# Altium PCB UDC_IHM_V2.0.PcbDoc (part 2 of 2)
Units mm, origin at the board's own origin, x right, y up, seen from the top; angles counter-clockwise.
Board outline 64.5 x 60 mm, 4 copper layers (Top Layer, VCC, GND, Bottom Layer), stack 1.542 mm thick; 91 components, 78 nets, 394 pads, 187 vias.
Unrouted connection lines stored in the file: 1.
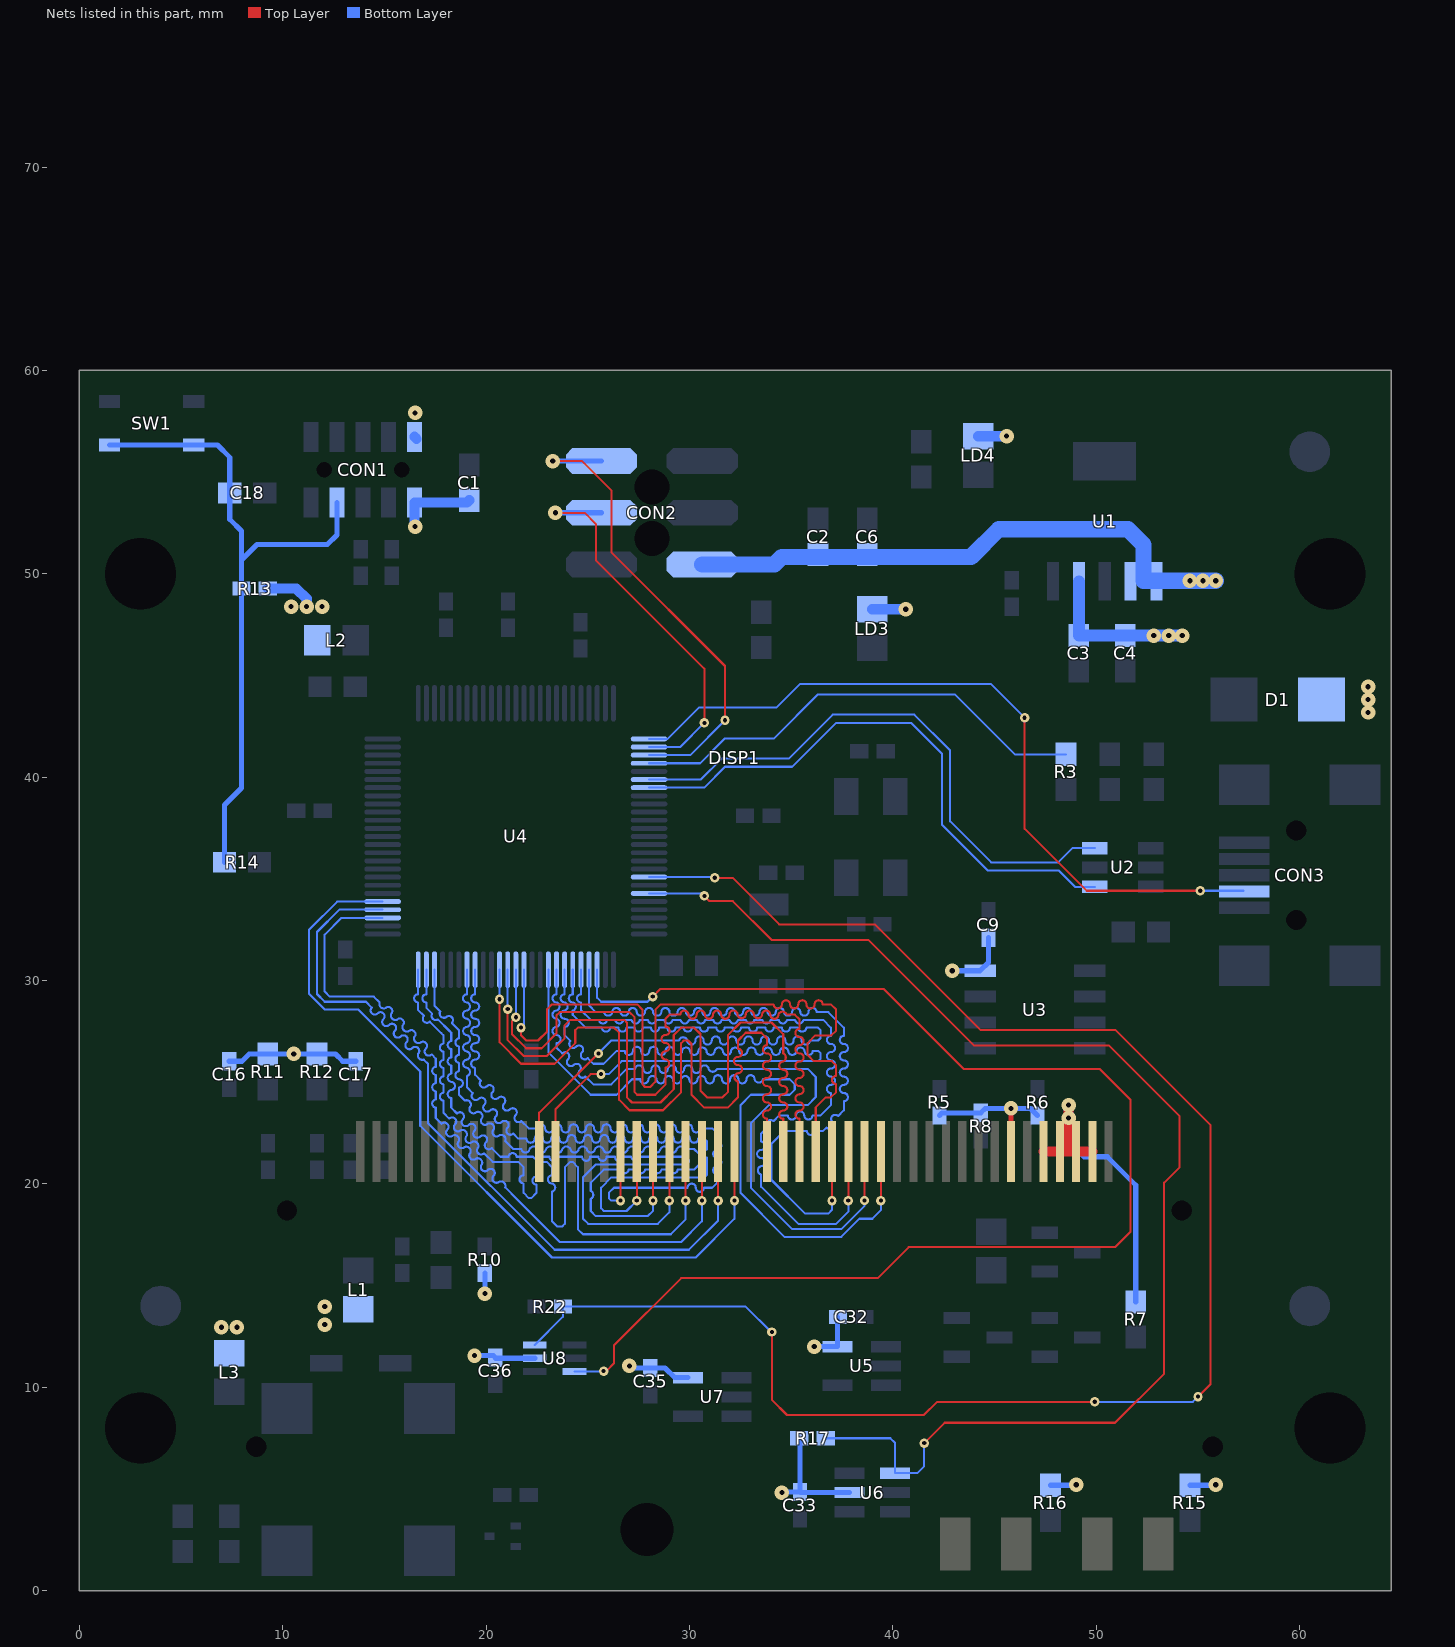
[diagram p4: the nets of this part, all layers, seen from the top]

## Via types
v1: diameter 0.711, hole 0.254, Top Layer to Bottom Layer, tented both sides, 138 vias
v2: diameter 0.457, hole 0.204, Top Layer to Bottom Layer, tented both sides, 49 vias

## Nets (pads, with @x,y where several pads share a name; then routed paths per layer and width w, separated by ;. In a path a pad name is that pad's centre, name@x,y a point inside that pad or via, vN(x,y) a via of type N, cw(c..) or ccw(c..) an arc to the next point about the centre after c; other vN are vias at no path point) (continued)
PMD0: DISP1.31 U4.93 | length 39.3
  Top Layer w0.102: v2(26.612,19.177) DISP1.31@26.612,21.596
  Bottom Layer w0.102: U4.93@19.463,30.534 19.463,29.328 ccw(c19.468,29.127) 19.463,28.926 cw(c19.463,28.725) 19.463,28.524 ccw(c19.468,28.323) 19.463,28.122 cw(c19.463,27.921) 19.463,27.72 ccw(c19.468,27.519) 19.463,27.318 cw(c19.463,27.117) 19.463,26.916 ccw(c19.468,26.715) 19.463,26.514 cw(c19.463,26.313) 19.463,26.112 ccw(c19.468,25.911) 19.463,25.71 19.463,25.368 19.747,25.084 ccw(c19.889,24.942) 20.032,24.799 cw(c20.174,24.657) 20.316,24.515 ccw(c20.458,24.373) 20.6,24.231 cw(c20.742,24.089) 20.884,23.947 ccw(c21.026,23.805) 21.169,23.662 cw(c21.311,23.52) 21.453,23.378 ccw(c21.595,23.236) 21.737,23.094 22.098,22.733 22.5,22.733 cw(c22.701,22.733) 22.902,22.733 ccw(c23.103,22.733) 23.304,22.733 cw(c23.505,22.733) 23.706,22.733 ccw(c23.907,22.733) 24.108,22.733 cw(c24.309,22.733) 24.51,22.733 ccw(c24.711,22.733) 24.912,22.733 cw(c25.113,22.733) 25.314,22.733 ccw(c25.515,22.733) 25.716,22.733 cw(c25.917,22.733) 26.118,22.733 ccw(c26.319,22.733) 26.52,22.733 cw(c26.721,22.733) 26.922,22.733 ccw(c27.123,22.733) 27.324,22.733 cw(c27.525,22.733) 27.726,22.733 ccw(c27.927,22.733) 28.128,22.733 cw(c28.329,22.733) 28.53,22.733 ccw(c28.731,22.733) 28.932,22.733 cw(c29.133,22.733) 29.334,22.733 ccw(c29.535,22.733) 29.736,22.733 cw(c29.937,22.733) 30.138,22.733 ccw(c30.339,22.733) 30.54,22.733 31.115,22.733 31.369,22.479 31.369,22.077 cw(c31.369,21.876) 31.369,21.675 ccw(c31.369,21.474) 31.369,21.273 cw(c31.369,21.072) 31.369,20.871 ccw(c31.369,20.67) 31.369,20.469 31.369,20.066 31.115,19.812 30.713,19.812 cw(c30.512,19.812) 30.311,19.812 ccw(c30.11,19.812) 29.909,19.812 26.289,19.812 26.035,19.558 26.035,19.304 26.162,19.177 v2(26.612,19.177) v2@26.485,19.05
PMD1: DISP1.30 U4.94 | length 39.3
  Top Layer w0.102: v2(27.412,19.177) DISP1.30@27.412,21.596
  Bottom Layer w0.102: U4.94@19.063,30.534 19.063,29.328 ccw(c19.063,29.127) 19.063,28.926 cw(c19.003,28.725) 19.063,28.524 ccw(c19.063,28.323) 19.063,28.122 cw(c19.003,27.921) 19.063,27.72 ccw(c19.074,27.519) 19.063,27.318 cw(c19.003,27.117) 19.063,26.916 ccw(c19.074,26.715) 19.063,26.514 cw(c19.003,26.313) 19.063,26.112 ccw(c19.074,25.911) 19.063,25.71 cw(c19.003,25.509) 19.063,25.308 19.063,24.752 19.347,24.468 ccw(c19.489,24.326) 19.632,24.183 cw(c19.774,24.041) 19.916,23.899 ccw(c20.058,23.757) 20.2,23.615 cw(c20.342,23.473) 20.484,23.331 ccw(c20.626,23.189) 20.769,23.046 cw(c20.911,22.904) 21.053,22.762 ccw(c21.195,22.62) 21.337,22.478 21.59,22.225 21.992,22.225 ccw(c22.193,22.225) 22.394,22.225 cw(c22.595,22.225) 22.796,22.225 ccw(c22.997,22.225) 23.198,22.225 cw(c23.399,22.203) 23.6,22.225 ccw(c23.801,22.225) 24.002,22.225 cw(c24.203,22.203) 24.404,22.225 ccw(c24.605,22.225) 24.806,22.225 cw(c25.007,22.203) 25.208,22.225 ccw(c25.409,22.225) 25.61,22.225 cw(c25.811,22.203) 26.012,22.225 ccw(c26.213,22.225) 26.414,22.225 cw(c26.615,22.203) 26.816,22.225 ccw(c27.017,22.225) 27.218,22.225 cw(c27.419,22.203) 27.62,22.225 ccw(c27.821,22.225) 28.022,22.225 cw(c28.223,22.203) 28.424,22.225 ccw(c28.625,22.225) 28.826,22.225 cw(c29.027,22.203) 29.228,22.225 ccw(c29.429,22.225) 29.63,22.225 cw(c29.831,22.203) 30.032,22.225 ccw(c30.233,22.225) 30.434,22.225 30.734,22.225 30.861,22.098 30.861,21.696 ccw(c30.885,21.495) 30.861,21.294 30.861,20.442 30.739,20.32 30.337,20.32 29.533,20.32 26.162,20.32 25.654,19.812 25.654,18.796 25.781,18.669 26.904,18.669 v2(27.412,19.177)
PMD2: DISP1.29 U4.98 | length 39.3
  Top Layer w0.102: v2(28.212,19.177) DISP1.29@28.212,21.596
  Bottom Layer w0.102: U4.98@17.463,30.534 17.463,28.765 17.747,28.481 ccw(c17.927,28.376) 18.032,28.196 cw(c18.174,28.054) 18.316,27.912 18.669,27.559 18.669,27.157 ccw(c18.695,26.956) 18.669,26.755 18.669,26.353 ccw(c18.695,26.152) 18.669,25.951 18.669,25.549 ccw(c18.695,25.348) 18.669,25.147 cw(c18.658,24.946) 18.669,24.745 18.669,24.384 18.953,24.1 cw(c19.036,23.899) 19.238,23.815 ccw(c19.38,23.673) 19.522,23.531 cw(c19.605,23.33) 19.806,23.247 ccw(c19.948,23.105) 20.09,22.963 cw(c20.173,22.762) 20.375,22.678 ccw(c20.517,22.536) 20.659,22.394 cw(c20.742,22.193) 20.943,22.11 21.336,21.717 21.738,21.717 ccw(c21.939,21.743) 22.14,21.717 cw(c22.341,21.61) 22.542,21.717 ccw(c22.743,21.743) 22.944,21.717 cw(c23.145,21.61) 23.346,21.717 ccw(c23.547,21.743) 23.748,21.717 cw(c23.949,21.61) 24.15,21.717 ccw(c24.351,21.743) 24.552,21.717 cw(c24.753,21.61) 24.954,21.717 ccw(c25.155,21.743) 25.356,21.717 cw(c25.557,21.61) 25.758,21.717 ccw(c25.959,21.743) 26.16,21.717 cw(c26.361,21.61) 26.562,21.717 ccw(c26.763,21.743) 26.964,21.717 cw(c27.165,21.61) 27.366,21.717 ccw(c27.567,21.743) 27.768,21.717 cw(c27.969,21.61) 28.17,21.717 ccw(c28.371,21.743) 28.572,21.717 cw(c28.773,21.61) 28.974,21.717 ccw(c29.175,21.743) 29.376,21.717 cw(c29.577,21.61) 29.778,21.717 30.226,21.717 30.48,21.463 30.48,20.955 30.226,20.701 29.422,20.701 cw(c29.221,20.727) 29.02,20.701 28.618,20.701 cw(c28.417,20.727) 28.216,20.701 27.814,20.701 cw(c27.613,20.727) 27.412,20.701 27.01,20.701 cw(c26.809,20.727) 26.608,20.701 25.781,20.701 25.146,20.066 25.146,19.664 cw(c25.049,19.463) 25.146,19.262 25.146,18.669 25.4,18.415 27.94,18.415 28.212,18.687 v2(28.212,19.177)
PMD3: DISP1.28 U4.99 | length 39.3
  Top Layer w0.102: v2(29.012,19.177) DISP1.28@29.012,21.596
  Bottom Layer w0.102: U4.99@17.063,30.534 17.063,29.328 ccw(c17.068,29.127) 17.063,28.926 17.063,28.657 17.347,28.373 ccw(c17.527,28.268) 17.632,28.088 18.2,27.52 18.288,27.432 18.288,27.03 ccw(c18.314,26.829) 18.288,26.628 18.288,26.226 ccw(c18.314,26.025) 18.288,25.824 18.288,25.422 ccw(c18.314,25.221) 18.288,25.02 cw(c18.27,24.819) 18.288,24.618 ccw(c18.314,24.417) 18.288,24.216 18.288,23.749 18.572,23.465 cw(c18.714,23.323) 18.857,23.18 ccw(c18.999,23.038) 19.141,22.896 cw(c19.283,22.754) 19.425,22.612 ccw(c19.567,22.47) 19.709,22.328 cw(c19.851,22.186) 19.994,22.043 ccw(c20.136,21.901) 20.278,21.759 20.701,21.336 21.103,21.336 cw(c21.304,21.312) 21.505,21.336 22.309,21.336 ccw(c22.51,21.464) 22.711,21.336 23.113,21.336 ccw(c23.314,21.336) 23.515,21.336 24.319,21.336 24.721,21.336 ccw(c24.922,21.336) 25.123,21.336 25.525,21.336 ccw(c25.726,21.336) 25.927,21.336 26.329,21.336 ccw(c26.53,21.336) 26.731,21.336 27.133,21.336 ccw(c27.334,21.366) 27.535,21.336 28.741,21.336 29.812,21.336 29.972,21.176 29.972,21.082 29.845,20.955 25.4,20.955 24.765,20.32 24.765,18.288 25.019,18.034 28.448,18.034 29.012,18.598 v2(29.012,19.177)
PMD4: DISP1.27 U4.100 | length 39.3
  Top Layer w0.102: v2(29.812,19.177) DISP1.27@29.812,21.596
  Bottom Layer w0.102: U4.100@16.663,30.534 16.663,29.328 ccw(c16.663,29.127) 16.663,28.926 16.663,28.549 16.947,28.265 ccw(c17.089,28.123) 17.232,27.98 17.8,27.412 17.907,27.305 17.907,26.903 ccw(c17.933,26.702) 17.907,26.501 17.907,26.099 ccw(c17.933,25.898) 17.907,25.697 17.907,25.295 ccw(c17.933,25.094) 17.907,24.893 17.907,24.491 ccw(c17.933,24.29) 17.907,24.089 17.907,23.495 18.191,23.211 cw(c18.333,23.069) 18.476,22.926 ccw(c18.618,22.784) 18.76,22.642 cw(c18.835,22.433) 19.044,22.358 ccw(c19.186,22.216) 19.328,22.074 cw(c19.403,21.864) 19.613,21.789 ccw(c19.755,21.647) 19.897,21.505 20.32,21.082 21.124,21.082 21.59,21.082 21.844,20.828 21.844,20.426 ccw(c21.844,20.225) 21.844,20.024 21.844,19.558 22.098,19.304 22.225,19.304 22.479,19.558 22.479,19.96 cw(c22.479,20.161) 22.479,20.362 22.479,20.828 22.733,21.082 22.987,21.082 23.241,20.828 23.241,20.426 ccw(c23.241,20.225) 23.241,20.024 cw(c23.194,19.823) 23.241,19.622 23.241,18.818 23.241,18.161 23.495,17.907 23.749,17.907 23.876,18.034 23.876,18.838 23.876,20.828 24.13,21.082 24.257,21.082 24.511,20.828 24.511,19.622 24.511,17.78 24.765,17.526 29.083,17.526 29.812,18.255 v2(29.812,19.177)
PMD5: DISP1.26 U4.3 | length 39.3
  Top Layer w0.102: v2(30.612,19.177) DISP1.26@30.612,21.596
  Bottom Layer w0.102: U4.3@14.913,33.084 12.891,33.084 12.065,32.258 12.065,29.464 12.319,29.21 14.478,29.21 14.762,28.926 ccw(c14.972,28.851) 15.047,28.641 cw(c15.189,28.499) 15.331,28.357 ccw(c15.54,28.282) 15.615,28.073 cw(c15.757,27.931) 15.899,27.789 ccw(c16.109,27.714) 16.184,27.504 cw(c16.326,27.362) 16.468,27.22 ccw(c16.677,27.145) 16.752,26.936 cw(c16.894,26.794) 17.036,26.652 ccw(c17.178,26.51) 17.321,26.367 17.526,26.162 17.526,25.76 ccw(c17.552,25.559) 17.526,25.358 17.526,24.956 ccw(c17.552,24.755) 17.526,24.554 17.526,24.152 ccw(c17.552,23.951) 17.526,23.75 17.526,23.241 17.81,22.957 cw(c17.952,22.815) 18.095,22.672 ccw(c18.237,22.53) 18.379,22.388 cw(c18.454,22.179) 18.663,22.104 ccw(c18.805,21.962) 18.947,21.82 cw(c19.022,21.61) 19.232,21.535 ccw(c19.374,21.393) 19.516,21.251 cw(c19.591,21.042) 19.8,20.967 ccw(c19.942,20.825) 20.084,20.683 cw(c20.226,20.541) 20.369,20.398 ccw(c20.511,20.256) 20.653,20.114 cw(c20.727,19.904) 20.937,19.83 21.506,19.261 22.098,18.669 23.622,17.145 29.591,17.145 30.612,18.166 v2(30.612,19.177)
PMD6: DISP1.25 U4.4 | length 39.3
  Top Layer w0.102: v2(31.412,19.177) DISP1.25@31.412,21.596
  Bottom Layer w0.102: U4.4@14.913,33.484 12.783,33.484 11.684,32.385 11.684,29.337 12.065,28.956 14.097,28.956 14.381,28.672 ccw(c14.523,28.53) 14.666,28.387 cw(c14.808,28.245) 14.95,28.103 ccw(c15.092,27.961) 15.234,27.819 cw(c15.376,27.677) 15.518,27.535 ccw(c15.66,27.393) 15.803,27.25 cw(c15.945,27.108) 16.087,26.966 ccw(c16.229,26.824) 16.371,26.682 cw(c16.513,26.54) 16.655,26.398 ccw(c16.868,26.326) 16.94,26.113 17.145,25.908 17.145,24.3 17.145,22.987 23.368,16.764 29.972,16.764 31.412,18.204 v2(31.412,19.177)
PMD7: DISP1.24 U4.5 | length 39.3
  Top Layer w0.102: v2(32.212,19.177) DISP1.24@32.212,21.596
  Bottom Layer w0.102: U4.5@14.913,33.884 12.675,33.884 11.303,32.512 11.303,29.337 12.065,28.575 13.716,28.575 16.764,25.527 16.764,22.86 23.241,16.383 30.309,16.383 32.212,18.286 v2(32.212,19.177)
PMD8: DISP1.22 U4.90 | length 39.3
  Top Layer w0.102: v2(20.663,29.083) 20.663,26.962 21.717,25.908 23.368,25.908 24.384,26.924 24.384,27.559 24.511,27.686 26.289,27.686 26.543,27.432 26.543,24.13 27.051,23.622 28.702,23.622 29.591,24.511 29.591,26.924 29.718,27.051 29.928,27.051 30.099,26.88 30.099,25.59 30.099,24.384 30.734,23.749 31.877,23.749 32.385,24.257 32.385,25.04 cw(c32.421,25.241) 32.385,25.442 ccw(c32.385,25.643) 32.385,25.844 cw(c32.385,26.045) 32.385,26.246 ccw(c32.385,26.447) 32.385,26.648 32.385,27.05 32.767,27.432 33.529,27.432 33.812,27.149 33.812,26.822 ccw(c33.812,26.621) 33.812,26.42 cw(c33.812,26.219) 33.812,26.018 ccw(c33.812,25.817) 33.812,25.616 cw(c33.812,25.415) 33.812,25.214 ccw(c33.812,25.013) 33.812,24.812 cw(c33.812,24.611) 33.812,24.41 ccw(c33.812,24.209) 33.812,24.008 cw(c33.812,23.807) 33.812,23.606 ccw(c33.812,23.405) 33.812,23.204 33.812,22.4 DISP1.22@33.812,21.596
  Bottom Layer w0.102: v2(20.663,29.083) U4.90@20.663,30.534
PMD9: DISP1.21 U4.89 | length 39.3
  Top Layer w0.102: v2(21.063,28.594) 21.063,27.07 21.844,26.289 22.987,26.289 23.863,27.165 23.863,27.8 24.13,28.067 26.797,28.067 26.924,27.94 26.924,24.257 27.178,24.003 28.575,24.003 29.23,24.658 29.23,27.325 29.591,27.686 30.226,27.686 30.542,27.37 30.542,25.782 30.542,24.576 30.861,24.257 31.623,24.257 31.9,24.534 31.9,24.916 31.9,26.926 31.9,27.328 32.512,27.94 33.232,27.94 34.036,27.94 34.612,27.364 34.612,26.42 cw(c34.51,26.219) 34.612,26.018 ccw(c34.612,25.817) 34.612,25.616 cw(c34.612,25.415) 34.612,25.214 ccw(c34.612,25.013) 34.612,24.812 cw(c34.612,24.611) 34.612,24.41 ccw(c34.612,24.209) 34.612,24.008 cw(c34.612,23.807) 34.612,23.606 ccw(c34.612,23.405) 34.612,23.204 34.612,21.998 DISP1.21@34.612,21.596
  Bottom Layer w0.102: v2(21.063,28.594) U4.89@21.063,30.534
PMD10: DISP1.20 U4.88 | length 39.3
  Top Layer w0.102: v2(21.463,28.194) 21.267,27.998 21.267,27.374 21.971,26.67 22.733,26.67 23.463,27.4 23.463,28.289 23.622,28.448 27.051,28.448 27.305,28.194 27.305,24.913 27.305,24.511 27.432,24.384 28.321,24.384 28.829,24.892 28.829,25.72 ccw(c28.801,25.921) 28.829,26.122 cw(c28.829,26.323) 28.829,26.524 ccw(c28.825,26.725) 28.829,26.926 cw(c28.829,27.127) 28.829,27.328 ccw(c28.829,27.529) 28.829,27.73 28.829,28.132 29.018,28.321 29.551,28.321 cw(c29.752,28.321) 29.953,28.321 ccw(c30.154,28.321) 30.355,28.321 cw(c30.556,28.321) 30.757,28.321 ccw(c30.958,28.321) 31.159,28.321 cw(c31.36,28.321) 31.561,28.321 ccw(c31.762,28.321) 31.963,28.321 cw(c32.164,28.321) 32.365,28.321 ccw(c32.566,28.347) 32.767,28.321 cw(c32.968,28.321) 33.169,28.321 ccw(c33.37,28.347) 33.571,28.321 cw(c33.772,28.321) 33.973,28.321 ccw(c34.174,28.321) 34.375,28.321 cw(c34.576,28.259) 34.777,28.321 35.179,28.321 35.412,28.088 35.412,27.626 ccw(c35.412,27.425) 35.412,27.224 cw(c35.412,27.023) 35.412,26.822 ccw(c35.412,26.621) 35.412,26.42 cw(c35.412,26.219) 35.412,26.018 ccw(c35.412,25.817) 35.412,25.616 cw(c35.412,25.415) 35.412,25.214 ccw(c35.412,25.013) 35.412,24.812 cw(c35.412,24.611) 35.412,24.41 ccw(c35.412,24.209) 35.412,24.008 cw(c35.412,23.807) 35.412,23.606 ccw(c35.412,23.405) 35.412,23.204 35.412,22.4 DISP1.20@35.412,21.596
  Bottom Layer w0.102: v2(21.463,28.194) U4.88@21.463,30.534
PMD11: DISP1.19 U4.87 | length 39.2
  Top Layer w0.102: v2(21.717,27.686) 21.717,27.305 21.971,27.051 22.555,27.051 22.999,27.495 22.999,28.587 23.241,28.829 27.431,28.829 27.686,28.574 27.686,24.892 27.813,24.765 28.067,24.765 28.321,25.019 28.321,28.555 28.595,28.829 32.133,28.829 32.937,28.829 33.741,28.829 34.143,28.829 ccw(c34.344,28.829) 34.545,28.829 cw(c34.746,28.829) 34.947,28.829 ccw(c35.148,28.829) 35.349,28.829 cw(c35.55,28.829) 35.751,28.829 ccw(c35.952,28.829) 36.153,28.829 cw(c36.354,28.829) 36.555,28.829 36.957,28.829 37.211,28.575 37.211,27.538 36.978,27.305 36.195,27.305 35.814,26.924 35.814,26.342 36.121,26.035 37,26.035 37.211,25.824 37.211,25.315 ccw(c37.211,25.114) 37.211,24.913 37.211,24.511 36.957,24.257 36.703,24.257 36.212,23.766 36.212,22.802 DISP1.19@36.212,21.596
  Bottom Layer w0.102: v2(21.717,27.686) 21.863,27.832 U4.87@21.863,30.534
PMD12: DISP1.18 U4.79 | length 39.3
  Top Layer w0.102: v2(37.012,19.177) DISP1.18@37.012,21.596
  Bottom Layer w0.102: U4.79@25.063,30.534 25.063,28.785 25.4,28.448 25.802,28.448 ccw(c26.003,28.474) 26.204,28.448 cw(c26.405,28.448) 26.606,28.448 ccw(c26.807,28.474) 27.008,28.448 cw(c27.209,28.448) 27.41,28.448 ccw(c27.611,28.474) 27.812,28.448 cw(c28.013,28.448) 28.214,28.448 ccw(c28.415,28.474) 28.616,28.448 cw(c28.817,28.448) 29.018,28.448 ccw(c29.219,28.474) 29.42,28.448 cw(c29.621,28.448) 29.822,28.448 ccw(c30.023,28.474) 30.224,28.448 cw(c30.425,28.448) 30.626,28.448 ccw(c30.827,28.474) 31.028,28.448 cw(c31.229,28.448) 31.43,28.448 ccw(c31.631,28.474) 31.832,28.448 cw(c32.033,28.448) 32.234,28.448 ccw(c32.435,28.474) 32.636,28.448 cw(c32.837,28.448) 33.038,28.448 ccw(c33.239,28.474) 33.44,28.448 cw(c33.641,28.448) 33.842,28.448 ccw(c34.043,28.474) 34.244,28.448 cw(c34.445,28.448) 34.646,28.448 ccw(c34.847,28.474) 35.048,28.448 cw(c35.249,28.448) 35.45,28.448 ccw(c35.651,28.474) 35.852,28.448 cw(c36.053,28.448) 36.254,28.448 36.83,28.448 37.592,27.686 37.592,27.284 ccw(c37.592,27.083) 37.592,26.882 cw(c37.592,26.681) 37.592,26.48 ccw(c37.592,26.279) 37.592,26.078 cw(c37.592,25.877) 37.592,25.676 ccw(c37.592,25.475) 37.592,25.274 cw(c37.592,25.073) 37.592,24.872 ccw(c37.592,24.671) 37.592,24.47 cw(c37.592,24.269) 37.592,24.068 37.592,23.622 37.308,23.338 ccw(c37.166,23.196) 37.023,23.053 cw(c36.881,22.911) 36.739,22.769 36.576,22.606 36.174,22.606 cw(c35.973,22.612) 35.772,22.606 35.37,22.606 34.671,22.606 34.036,21.971 34.036,20.193 35.687,18.542 36.83,18.542 37.012,18.724 v2(37.012,19.177)
PMD13: DISP1.17 U4.80 | length 39.3
  Top Layer w0.102: v2(37.812,19.177) DISP1.17@37.812,21.596
  Bottom Layer w0.102: U4.80@24.663,30.534 24.663,29.328 ccw(c24.668,29.127) 24.663,28.926 24.663,28.55 25.146,28.067 25.548,28.067 ccw(c25.749,28.093) 25.95,28.067 26.352,28.067 ccw(c26.553,28.093) 26.754,28.067 27.156,28.067 ccw(c27.357,28.093) 27.558,28.067 27.96,28.067 ccw(c28.161,28.093) 28.362,28.067 28.764,28.067 ccw(c28.965,28.093) 29.166,28.067 29.568,28.067 ccw(c29.769,28.093) 29.97,28.067 30.372,28.067 ccw(c30.573,28.093) 30.774,28.067 31.176,28.067 ccw(c31.377,28.093) 31.578,28.067 31.98,28.067 ccw(c32.181,28.093) 32.382,28.067 32.784,28.067 ccw(c32.985,28.093) 33.186,28.067 33.588,28.067 ccw(c33.789,28.093) 33.99,28.067 34.392,28.067 ccw(c34.593,28.093) 34.794,28.067 35.196,28.067 ccw(c35.397,28.093) 35.598,28.067 36.576,28.067 36.957,27.686 36.957,27.284 ccw(c36.957,27.083) 36.957,26.882 cw(c36.957,26.681) 36.957,26.48 ccw(c36.957,26.279) 36.957,26.078 cw(c36.957,25.877) 36.957,25.676 ccw(c36.957,25.475) 36.957,25.274 cw(c36.957,25.073) 36.957,24.872 ccw(c36.957,24.671) 36.957,24.47 36.957,23.876 36.449,23.368 36.047,23.368 cw(c35.846,23.368) 35.645,23.368 ccw(c35.444,23.368) 35.243,23.368 cw(c35.042,23.368) 34.841,23.368 34.417,23.368 34.133,23.084 ccw(c33.991,22.942) 33.848,22.799 33.528,22.479 33.528,22.077 cw(c33.528,21.876) 33.528,21.675 ccw(c33.528,21.474) 33.528,21.273 cw(c33.528,21.072) 33.528,20.871 ccw(c33.566,20.67) 33.528,20.469 33.528,19.862 35.356,18.034 37.211,18.034 37.812,18.635 v2(37.812,19.177)
PMD14: DISP1.16 U4.83 | length 39.3
  Top Layer w0.102: v2(38.612,19.181) DISP1.16@38.612,21.596
  Bottom Layer w0.102: U4.83@23.463,30.534 23.463,29.328 ccw(c23.468,29.127) 23.463,28.926 cw(c23.403,28.725) 23.463,28.524 ccw(c23.468,28.323) 23.463,28.122 cw(c23.403,27.921) 23.463,27.72 ccw(c23.468,27.519) 23.463,27.318 cw(c23.463,27.117) 23.463,26.916 23.463,26.702 23.747,26.418 cw(c23.889,26.276) 24.032,26.133 ccw(c24.174,25.991) 24.316,25.849 cw(c24.458,25.707) 24.6,25.565 ccw(c24.742,25.423) 24.884,25.281 25.273,24.892 26.162,24.892 26.924,25.654 27.326,25.654 cw(c27.527,25.628) 27.728,25.654 ccw(c27.929,25.654) 28.13,25.654 cw(c28.331,25.628) 28.532,25.654 ccw(c28.733,25.654) 28.934,25.654 cw(c29.135,25.628) 29.336,25.654 ccw(c29.537,25.654) 29.738,25.654 cw(c29.939,25.628) 30.14,25.654 ccw(c30.341,25.654) 30.542,25.654 cw(c30.743,25.628) 30.944,25.654 ccw(c31.145,25.729) 31.346,25.654 32.15,25.654 32.954,25.654 35.814,25.654 36.212,25.256 36.212,24.274 35.814,23.876 33.909,23.876 33.02,22.987 33.02,19.812 35.052,17.78 37.465,17.78 38.612,18.927 v2(38.612,19.181)
PMD15: DISP1.15 U4.84 | length 39.3
  Top Layer w0.102: v2(39.412,19.177) DISP1.15@39.412,21.596
  Bottom Layer w0.102: U4.84@23.063,30.534 23.063,26.467 25.146,24.384 26.416,24.384 27.178,25.146 27.58,25.146 ccw(c27.781,25.146) 27.982,25.146 cw(c28.183,25.097) 28.384,25.146 ccw(c28.585,25.146) 28.786,25.146 cw(c28.987,25.097) 29.188,25.146 ccw(c29.389,25.146) 29.59,25.146 cw(c29.791,25.097) 29.992,25.146 ccw(c30.193,25.146) 30.394,25.146 cw(c30.595,25.097) 30.796,25.146 ccw(c30.997,25.146) 31.198,25.146 cw(c31.399,25.146) 31.6,25.146 ccw(c31.801,25.146) 32.002,25.146 cw(c32.203,25.146) 32.404,25.146 ccw(c32.605,25.146) 32.806,25.146 cw(c33.007,25.146) 33.208,25.146 ccw(c33.409,25.185) 33.61,25.146 34.414,25.146 34.925,25.146 35.179,24.892 35.179,24.638 34.925,24.384 34.121,24.384 33.02,24.384 32.512,23.876 32.512,19.558 34.671,17.399 37.465,17.399 38.354,18.288 38.989,18.288 39.412,18.711 v2(39.412,19.177)
PMRD: DISP1.35 U4.82 | length 39.3
  Top Layer w0.102: DISP1.35@23.412,21.596 23.412,23.666 25.146,25.4 v2(25.654,25.4)
  Bottom Layer w0.102: U4.82@23.863,30.534 23.863,29.328 ccw(c23.868,29.127) 23.863,28.926 cw(c23.803,28.725) 23.863,28.524 ccw(c23.868,28.323) 23.863,28.122 cw(c23.863,27.921) 23.863,27.72 23.863,27.318 24.147,27.034 ccw(c24.289,26.892) 24.432,26.749 cw(c24.574,26.607) 24.716,26.465 ccw(c24.858,26.323) 25,26.181 25.273,25.908 25.781,25.908 26.416,26.543 26.818,26.543 ccw(c27.019,26.543) 27.22,26.543 cw(c27.421,26.543) 27.622,26.543 ccw(c27.823,26.543) 28.024,26.543 cw(c28.225,26.543) 28.426,26.543 ccw(c28.627,26.543) 28.828,26.543 cw(c29.029,26.543) 29.23,26.543 ccw(c29.431,26.543) 29.632,26.543 cw(c29.833,26.497) 30.034,26.543 ccw(c30.235,26.543) 30.436,26.543 cw(c30.637,26.497) 30.838,26.543 ccw(c31.039,26.543) 31.24,26.543 cw(c31.441,26.497) 31.642,26.543 ccw(c31.843,26.543) 32.044,26.543 cw(c32.245,26.497) 32.446,26.543 ccw(c32.647,26.543) 32.848,26.543 cw(c33.049,26.497) 33.25,26.543 ccw(c33.451,26.543) 33.652,26.543 cw(c33.853,26.497) 34.054,26.543 ccw(c34.255,26.543) 34.456,26.543 cw(c34.657,26.497) 34.858,26.543 ccw(c35.059,26.543) 35.26,26.543 cw(c35.461,26.497) 35.662,26.543 ccw(c35.863,26.543) 36.064,26.543 36.322,26.543 36.449,26.416 36.449,26.162 36.322,26.035 35.92,26.035 35.116,26.035 33.91,26.035 33.106,26.035 31.9,26.035 29.89,26.035 28.282,26.035 26.67,26.035 26.035,25.4 v2(25.654,25.4)
PMWR: DISP1.36 U4.81 | length 39.3
  Top Layer w0.102: DISP1.36@22.612,21.596 22.612,23.501 v2(25.527,26.416)
  Bottom Layer w0.102: U4.81@24.263,30.534 24.263,29.328 ccw(c24.268,29.127) 24.263,28.926 cw(c24.203,28.725) 24.263,28.524 24.263,28.315 24.892,27.686 25.696,27.686 ccw(c25.897,27.686) 26.098,27.686 26.5,27.686 ccw(c26.701,27.686) 26.902,27.686 27.304,27.686 ccw(c27.505,27.686) 27.706,27.686 28.108,27.686 ccw(c28.309,27.686) 28.51,27.686 28.912,27.686 ccw(c29.113,27.686) 29.314,27.686 29.716,27.686 ccw(c29.917,27.686) 30.118,27.686 30.52,27.686 ccw(c30.721,27.686) 30.922,27.686 31.324,27.686 ccw(c31.525,27.686) 31.726,27.686 32.128,27.686 ccw(c32.329,27.686) 32.53,27.686 32.932,27.686 ccw(c33.133,27.686) 33.334,27.686 33.736,27.686 ccw(c33.937,27.686) 34.138,27.686 34.54,27.686 ccw(c34.741,27.686) 34.942,27.686 35.344,27.686 ccw(c35.545,27.686) 35.746,27.686 36.322,27.686 36.449,27.559 36.449,27.178 36.322,27.051 35.92,27.051 cw(c35.719,27.051) 35.518,27.051 ccw(c35.317,27.051) 35.116,27.051 cw(c34.915,27.051) 34.714,27.051 ccw(c34.513,27.051) 34.312,27.051 cw(c34.111,27.051) 33.91,27.051 ccw(c33.709,27.051) 33.508,27.051 cw(c33.307,27.051) 33.106,27.051 ccw(c32.905,27.051) 32.704,27.051 cw(c32.503,27.051) 32.302,27.051 ccw(c32.101,27.051) 31.9,27.051 cw(c31.699,27.051) 31.498,27.051 ccw(c31.297,27.051) 31.096,27.051 cw(c30.895,27.051) 30.694,27.051 ccw(c30.493,27.051) 30.292,27.051 cw(c30.091,27.051) 29.89,27.051 ccw(c29.689,27.007) 29.488,27.051 29.086,27.051 27.88,27.051 27.076,27.051 26.162,27.051 v2(25.527,26.416)
RESET: C18.2 CON1.7 R13.2 R14.1 SW1.1 | length 33.5
  Bottom Layer w0.254: SW1.1@1.481,56.329 SW1.1@5.631,56.329 6.79,56.329 7.392,55.727 C18.2@7.392,53.975 7.392,52.679 7.971,52.1 7.971,50.673 ; R14.1@7.138,35.814 7.138,38.634 7.971,39.467 R13.2@7.971,49.276 7.971,50.673 ; CON1.7@12.67,53.503 12.67,51.913 12.192,51.435 8.733,51.435 7.971,50.673
SOUDSELECT: R22.2 U4.68 U8.6 | length 84.5
  Top Layer w0.102: v2(31.242,35.052) 32.131,35.052 34.417,32.766 39.116,32.766 44.323,27.559 50.954,27.559 55.626,22.887 55.626,10.16 v2@54.991,9.525 ; v2(34.051,12.715) 34.051,9.383 34.798,8.636 41.529,8.636 42.164,9.271 v2@49.911,9.271
  Bottom Layer w0.102: U8.6@22.39,12.08 23.779,13.469 R22.2@23.779,13.97 32.766,13.97 v2@34.036,12.7 ; U4.68@28.013,35.084 v2@31.242,35.084 ; v2(49.926,9.286) 54.752,9.286 v2@54.991,9.525
  other v2: 55.006,9.54
SOUNDPIC: U4.78 U8.3 | length 67.4
  Top Layer w0.102: v2(25.781,10.795) 25.908,10.795 26.289,11.176 26.289,12.065 29.591,15.367 39.259,15.367 40.783,16.891 50.927,16.891 51.689,17.653 51.689,24.13 50.165,25.654 43.478,25.654 39.541,29.591 28.575,29.591 v2(28.194,29.21)
  Bottom Layer w0.102: U8.3@24.346,10.78 v2@25.766,10.78 ; U4.78@25.463,30.534 25.463,29.147 25.654,28.956 27.94,28.956 v2(28.194,29.21)
STATUS_LED: R17.1 U4.70 U6.1 | length 64.5
  Top Layer w0.102: v2(30.734,34.163) 30.988,33.909 32.131,33.909 34.036,32.004 38.8,32.004 44.007,26.797 50.638,26.797 54.102,23.333 54.102,20.828 53.34,20.066 53.34,10.668 50.927,8.255 42.545,8.255 v2(41.544,7.254)
  Bottom Layer w0.102: U4.70@28.013,34.284 30.613,34.284 v2(30.734,34.163) ; R17.1@36.703,7.493 39.878,7.493 40.107,7.264 U6.1@40.107,5.776 41.209,5.776 41.529,6.096 v2@41.529,7.239
UART-RX: CON2.3 U4.52 | length 19.7
  Top Layer w0.102: v1(23.409,53) 24.851,53 25.4,52.451 25.4,50.673 30.734,45.339 v2(30.734,42.672)
  Bottom Layer w0.102: U4.52@28.013,41.484 29.546,41.484 v2(30.734,42.672)
  Bottom Layer w0.254: v1(23.409,53) CON2.3@25.673,53
UART-TX: CON2.5 U4.53 | length 23.9
  Top Layer w0.102: v1(23.282,55.54) 24.724,55.54 26.162,54.102 26.162,51.054 31.75,45.466 v2(31.75,42.799)
  Bottom Layer w0.102: U4.53@28.013,41.084 30.035,41.084 v2(31.75,42.799)
  Bottom Layer w0.254: v1(23.282,55.54) CON2.5@25.673,55.54
USB-DET: R3.1 U4.54 | length 23.1
  Bottom Layer w0.102: U4.54@28.013,40.684 30.524,40.684 31.75,41.91 34.163,41.91 36.322,44.069 43.053,44.069 46,41.122 R3.1@48.514,41.122
USB-ID: CON3.4 U4.51 | length 37.7
  Top Layer w0.102: v2(46.482,42.926) 46.482,37.465 49.53,34.417 v2(55.118,34.417)
  Bottom Layer w0.102: U4.51@28.013,41.884 28.93,41.884 30.48,43.434 34.29,43.434 35.433,44.577 44.831,44.577 v2(46.482,42.926) ; v2(55.118,34.417) CON3.4@57.239,34.417
USB-N: U2.6 U4.56 | length 28.6
  Bottom Layer w0.102: U4.56@28.013,39.884 30.555,39.884 31.584,40.913 34.886,40.913 37.045,43.072 41.06,43.072 42.818,41.314 42.818,37.827 44.831,35.814 48.133,35.814 48.829,36.51 U2.6@49.933,36.51
USB-P: U2.4 U4.57 | length 28.6
  Bottom Layer w0.102: U4.57@28.013,39.484 30.721,39.484 31.75,40.513 35.052,40.513 37.211,42.672 40.894,42.672 42.418,41.148 42.418,37.661 44.665,35.414 48.152,35.414 48.956,34.61 U2.4@49.933,34.61
VDD3V3: C1.2 C3.2 C4.2 C9.2 C16.1 C17.1 C32.2 C33.2 C35.2 C36.2 CON1.1 CON1.2 DISP1.7 L1.2 L2.1 LD3.2 LD4.2 R5.1 R6.1 R8.1 R10.1 R11.2 R12.2 R13.1 R17.2 U1.4 U3.8 U5.5 U6.5 U7.5 U8.5 | length 49.9
  Top Layer w0.254: DISP1.7@45.812,21.596 v1(45.812,23.714)
  Bottom Layer w0.254: C16.1@7.366,26.035 8.001,26.035 8.356,26.39 R11.2@9.271,26.39 R12.2@11.684,26.39 12.599,26.39 12.954,26.035 C17.1@13.589,26.035 ; v1(19.431,11.557) 20.35,11.557 C36.2@20.447,11.46 20.477,11.43 U8.5@22.39,11.43 ; v1(19.939,14.605) R10.1@19.939,15.621 ; v1(27.051,11.049) 27.148,10.952 C35.2@28.067,10.952 28.799,10.952 29.276,10.475 U7.5@29.921,10.475 ; v1@34.574,4.856 C33.2@35.433,4.856 R17.2@35.433,7.463 ; C33.2@35.463,4.826 U6.5@37.871,4.826 ; v1(36.134,11.999) U5.5@37.287,11.999 C32.2@37.287,13.441 ; R5.1@42.291,23.368 42.418,23.495 R8.1@44.323,23.495 44.542,23.714 v1(45.812,23.714) 46.771,23.714 R6.1@47.117,23.368 ; v1(42.926,30.48) U3.8@44.29,30.48 44.704,30.894 C9.2@44.704,32.101
  Bottom Layer w0.508: R13.1@9.271,49.276 10.668,49.276 11.176,48.768 v1(11.176,48.387) ; CON1.2@16.48,56.733 CON1.2@16.582,56.631 ; v1(16.51,52.324) 16.48,52.354 CON1.1@16.48,53.503 19.06,53.503 C1.2@19.177,53.62 ; LD3.2@38.989,48.26 v1(40.64,48.26) ; LD4.2@44.196,56.769 v1(45.593,56.769)
  Bottom Layer w0.6: U1.4@49.149,49.628 C3.2@49.149,46.964 C4.2@51.435,46.964 v1(54.229,46.964)
  other v1: 34.544,4.826 12.065,13.081 12.065,13.97 10.541,26.39 52.832,46.964 53.568,46.964 10.414,48.387 11.938,48.387 16.51,57.912
VDD5V: C2.2 C6.2 CON2.2 D1.1 DISP1.2 DISP1.3 DISP1.4 DISP1.5 L3.1 R7.2 R15.1 R16.1 U1.1 U1.2 | length 46.3
  Top Layer w0.5: DISP1.5@47.412,21.596 DISP1.4@48.212,21.596 48.612,21.596 ; v1(48.641,23.876) 48.641,21.625 48.612,21.596 ; DISP1.2@49.812,21.596 DISP1.3@49.012,21.596 48.612,21.596
  Bottom Layer w0.254: R16.1@47.752,5.181 v1@48.996,5.181 ; v1(48.641,23.241) 48.641,22.098 49.403,21.336 50.546,21.336 51.943,19.939 R7.2@51.943,14.198 ; R15.1@54.61,5.181 v1@55.854,5.181
  Bottom Layer w0.8: CON2.2@30.626,50.46 34.178,50.46 34.544,50.826 43.841,50.826 45.212,52.197 51.562,52.197 52.324,51.435 52.324,49.657 v1(55.88,49.657)
  other v1: 49.022,5.207 55.88,5.207 6.985,12.954 7.747,12.954 63.373,43.18 63.373,43.815 63.373,44.45 54.61,49.657 55.245,49.657
pads on no net: ?.FD CON1.0 CON1.4 CON1.6 CON1.8 CON2.1 CON2.MH1 CON2.MH2 CON3.MH1 CON3.MH2 DISP1.0 DISP1.33 DISP1.39 U1.6 U4.1 U4.7 U4.8 U4.9 U4.10 U4.11 U4.12 U4.14 U4.17 U4.18 U4.19 U4.20 U4.21 U4.22 U4.23 U4.24 U4.25 U4.28 U4.29 U4.32 U4.33 U4.38 U4.39 U4.40 U4.47 U4.48 U4.49 U4.50 U4.61 U4.66 U4.67 U4.91 U4.92 U4.95 U4.96 U4.97

## Polygon pours and split planes (outlines as drawn)
NetC20_2 on VCC (split plane): 15.5,44.45 15.509,44.352 15.538,44.258 15.584,44.171 15.647,44.095 17.171,42.571 17.247,42.508 17.334,42.462 17.428,42.433 17.526,42.424 26.803,42.424 26.803,31.871 16.123,31.871 16.123,40.513 16.114,40.611 16.085,40.705 16.039,40.792 15.976,40.868 13.456,43.388 13.456,47.504 15.5,47.504
VDD5V on VCC (split plane): 58.299,49.957 58.299,48.895 58.308,48.797 58.337,48.703 58.383,48.616 58.446,48.54 60.097,46.889 60.173,46.826 60.26,46.78 60.354,46.751 60.452,46.742 63.149,46.742 63.99,45.901 63.99,0.51 8.976,0.51 6.217,3.269 6.217,13.635 6.685,14.103 8.047,14.103 8.769,13.381 8.769,8.509 8.778,8.411 8.807,8.317 8.853,8.23 8.916,8.154 10.44,6.63 10.516,6.567 10.603,6.521 10.697,6.492 10.795,6.483 29.383,6.483 31.776,4.09 32.665,3.201 32.741,3.138 32.828,3.092 32.922,3.063 33.02,3.054 40.64,3.054 40.738,3.063 40.832,3.092 40.919,3.138 40.995,3.201 44.658,6.864 54.229,6.864 54.327,6.873 54.421,6.902 54.508,6.948 54.584,7.011 57.886,10.313 57.949,10.389 57.995,10.476 58.024,10.57 58.033,10.668 58.033,20.193 58.024,20.291 57.995,20.385 57.949,20.472 57.886,20.548 55.981,22.453 55.905,22.516 55.818,22.562 55.724,22.591 55.626,22.6 48.214,22.6 47.873,22.941 47.873,25.065 48.595,25.787 57.658,25.787 57.756,25.796 57.85,25.825 57.937,25.871 58.013,25.934 59.537,27.458 59.6,27.534 59.646,27.621 59.675,27.715 59.684,27.813 59.684,43.307 59.675,43.405 59.646,43.499 59.6,43.586 59.537,43.662 56.763,46.436 56.763,47.498 56.754,47.596 56.725,47.69 56.679,47.777 56.616,47.853 55.727,48.742 55.651,48.805 55.564,48.851 55.47,48.88 55.372,48.889 54.564,48.889 54.096,49.357 54.096,50.338 54.437,50.679 57.577,50.679
VDD3V3 on VCC (split plane): 63.99,47.322 63.712,47.599 63.636,47.662 63.549,47.708 63.455,47.737 63.357,47.746 60.66,47.746 59.303,49.103 59.303,50.165 59.294,50.263 59.265,50.357 59.219,50.444 59.156,50.52 58.14,51.536 58.064,51.599 57.977,51.645 57.883,51.674 57.785,51.683 54.229,51.683 54.131,51.674 54.037,51.645 53.95,51.599 53.874,51.536 53.239,50.901 53.176,50.825 53.13,50.738 53.101,50.644 53.092,50.546 53.092,49.149 53.101,49.051 53.13,48.957 53.176,48.87 53.239,48.794 54.001,48.032 54.077,47.969 54.164,47.923 54.258,47.894 54.356,47.885 55.164,47.885 55.759,47.29 55.759,46.228 55.768,46.13 55.797,46.036 55.843,45.949 55.906,45.873 58.68,43.099 58.68,28.021 57.45,26.791 48.387,26.791 48.289,26.782 48.195,26.753 48.108,26.707 48.032,26.644 47.016,25.628 46.953,25.552 46.907,25.465 46.878,25.371 46.869,25.273 46.869,22.733 46.878,22.635 46.907,22.541 46.953,22.454 47.016,22.378 47.651,21.743 47.727,21.68 47.814,21.634 47.908,21.605 48.006,21.596 55.418,21.596 57.029,19.985 57.029,10.876 54.021,7.868 44.45,7.868 44.352,7.859 44.258,7.83 44.171,7.784 44.095,7.721 40.432,4.058 33.228,4.058 32.486,4.8 29.946,7.34 29.87,7.403 29.783,7.449 29.689,7.478 29.591,7.487 11.003,7.487 9.773,8.717 9.773,13.589 9.764,13.687 9.735,13.781 9.689,13.868 9.626,13.944 8.61,14.96 8.534,15.023 8.447,15.069 8.353,15.098 8.255,15.107 6.477,15.107 6.379,15.098 6.285,15.069 6.198,15.023 6.122,14.96 5.36,14.198 5.297,14.122 5.251,14.035 5.222,13.941 5.213,13.843 5.213,3.061 5.222,2.963 5.251,2.868 5.297,2.782 5.36,2.705 7.555,0.51 0.51,0.51 0.51,59.49 63.99,59.49
GND on GND (split plane): 63.99,0.51 0.51,0.51 0.51,59.49 63.99,59.49

## Keep-outs
Keep-Out Layer:
  circle w0.254: c3,8 r3
  circle w0.254: c61.5,8 r3
  circle w0.254: c61.5,50 r3
  circle w0.254: c3,50 r3
  lines w0.254: 0,0 64.5,0 64.5,60 0,60 0,0

## Other copper
Bottom Layer:
  rectangle: 46.482,53.34 58.166,59.563
  rectangle net GND: 52.959,29.718 56.134,32.512
  rectangle net VDD5V: 61.598,42.799 63.754,44.831
  rectangle net VDD3V3: 10.033,45.974 12.319,48.768
  rectangle net NetC20_2: 12.954,43.815 15.494,47.498
  rectangle net VDD3V3: 11.684,12.7 13.208,14.478
  rectangle net GND: 42.926,14.859 44.704,16.383
  rectangle net VDD5V: 6.604,11.938 8.128,13.335
  rectangle net GND: 21.209,1.27 22.352,2.413
  rectangle net GND: 31.242,52.451 39.243,53.594
VCC (plane layer: these items are gaps in the copper):
  lines w1: 5.715,3.061 8.776,0 64.5,0 64.5,46.101 63.357,47.244 60.452,47.244 58.801,48.895 58.801,50.165 57.785,51.181 54.229,51.181 53.594,50.546 53.594,49.149 54.356,48.387 55.372,48.387 56.261,47.498 56.261,46.228 59.182,43.307 59.182,27.813 57.658,26.289 48.387,26.289 47.371,25.273 47.371,22.733 48.006,22.098 55.626,22.098 57.531,20.193 57.531,10.668 54.229,7.366 44.45,7.366 40.64,3.556 33.02,3.556 32.131,4.445 29.591,6.985 10.795,6.985 9.271,8.509 9.271,13.589 8.255,14.605 6.477,14.605 5.715,13.843 5.715,3.061 ; 12.954,43.18 12.954,48.006 15.875,48.006 16.002,47.879 16.002,44.45 17.526,42.926 27.305,42.926 27.305,31.369 15.621,31.369 15.621,40.513 12.954,43.18

## Silkscreen, mask and mechanical layers (free items; w line width, h text height)
Top Overlay:
  circle w0.254: c3,50 r3
  circle w0.254: c3,8 r3
  circle w0.254: c61.5,8 r3
  circle w0.254: c61.5,50 r3
  lines w0.076: 44.079,4.155 43.825,4.028 ; 44.079,4.282 43.825,4.028 ; 44.46,4.663 44.079,4.409 44.333,4.409 43.825,4.028 ; 51.191,4.155 50.937,4.028 ; 51.191,4.282 50.937,4.028 ; 51.572,4.663 51.191,4.409 51.445,4.409 50.937,4.028
  lines w0.127: 43.649,5.2 44.242,5.2 ; 44.242,4.793 44.242,5.593 ; 44.242,5.16 44.842,5.16 ; 44.242,5.17 44.792,5.28 ; 44.242,5.216 44.792,5.106 ; 44.802,4.966 44.242,5.193 ; 44.802,5.42 44.242,5.193 ; 44.842,5.2 45.475,5.2 ; 50.761,5.2 51.354,5.2 ; 51.354,4.793 51.354,5.593 ; 51.354,5.16 51.954,5.16 ; 51.354,5.17 51.904,5.28 ; 51.354,5.216 51.904,5.106 ; 51.914,4.966 51.354,5.193 ; 51.914,5.42 51.354,5.193 ; 51.954,5.2 52.587,5.2 ; 44.242,5.193 44.842,5.593 44.842,4.793 44.242,5.193 ; 51.354,5.193 51.954,5.593 51.954,4.793 51.354,5.193
Bottom Overlay:
  drawing of 175 lines, arcs and shapes, not listed
  text "RESET" at 5.588,54.102 h1.4
  text "POWER" at 46.482,51.816 h1.4
  text "PROGRAM" at 42.164,43.307 h1.4
  text "Grupo ELP" at 38.354,26.374 h1.4
  text "Módulo de IHM V2.0" at 38.354,24.723 h1.4
  text "Janeiro de 2015" at 38.354,23.326 h1.4
  text "NS:" at 1.905,17.145 h4 r270
  text "JNHR" at 58.674,0.762 h1.4

## Text inside footprints (layer, text, board x,y; h text height)
PBFREE: Bottom Overlay "Pb" at 8.89,40.005 h3.05